# Altium PCB JacdacRp2040BrainEc30 124.PcbDoc (part 1 of 2) (continued)
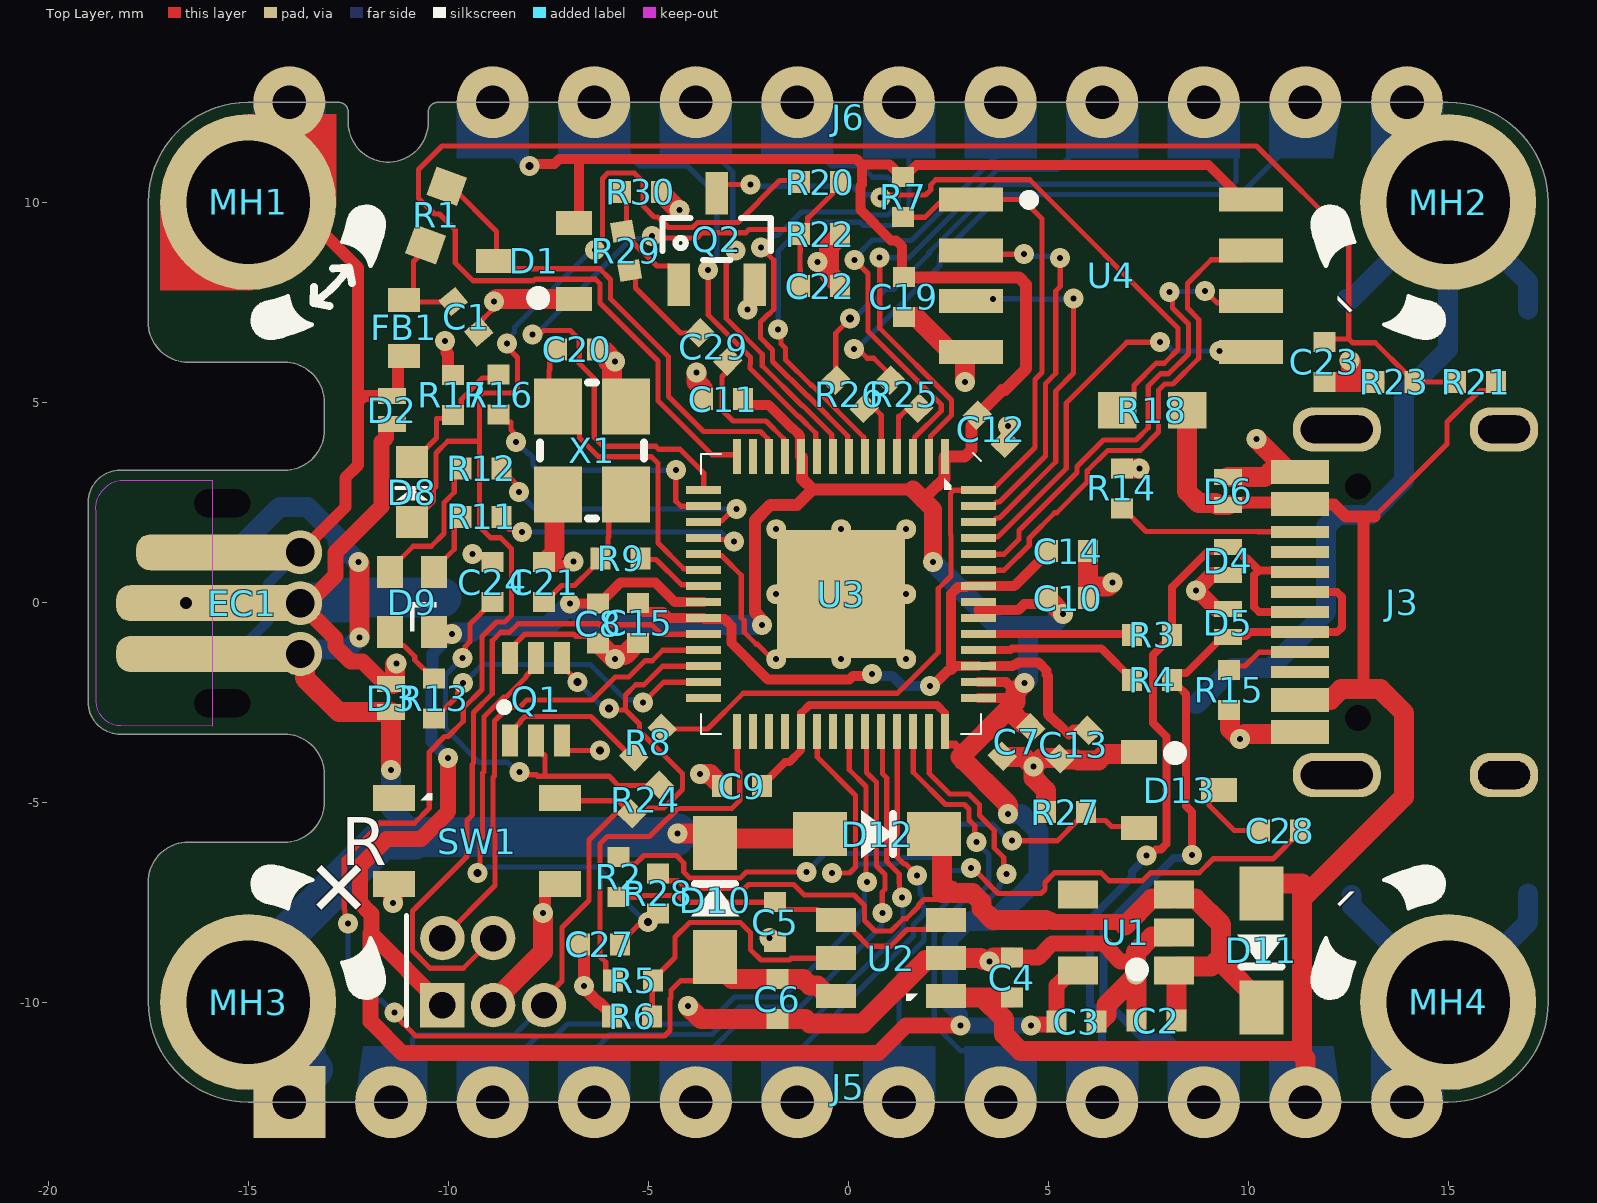
[diagram p0: Top Layer view]
## Part data (continued)
D1 D13: "DIODE ARRAY SCHOTTKY 30V SOT23", Manufacturer=Nexperia, Manufacturer Part Number=BAT54S,235, Supplier Part Number 1=1727-1868-1-ND, Category="Rectifier Diodes", ComponentLink1Description="NXP datasheet online", ComponentLink1URL=https://assets.nexperia.com/documents/data-sheet/BAT54_SER.pdf, Pricing 1="1=0.13000, 10=0.11900, 100=0.05610, 500=0.03326, 1000=0.02185, 5000=0.02138 (USD)", RoHS=No, Stock 1=14011, Supplier 1=Digi-Key, Supplier 2=Mouser, Supplier 3=RSComponents, Supplier Part Number 2=771-BAT54S235, Supplier Part Number 3=1707990
D2 D3 D4 D5 D6: "Bidirectional 5V (Max) 6V 16V 3.5A (8/20us) 0402 TVS RoHS", Manufacturer="Born Semiconductor", Package=0402, Supplier Part Number 1=C316043, Checked By=?, ComponentLink1Description="Online datasheet", ComponentLink1URL=https://datasheet.lcsc.com/szlcsc/Bourne-Semicon-Shenzhen-RCLAMP0521P-N_C316043.pdf, Created By="D Gakure", Manufacturer 1="Born Semiconductor", Manufacturer Part Number=RCLAMP0521P-N, Manufacturer Part Number 1=RCLAMP0521P-N, Supplier 1=LCSC
D8: library part 19-217/GHC-YR1S2/3T, "LED GREEN DIFFUSED 0603 SMD", Case Code (Imperial)=0603, Color=Green, Manufacturer="Everlight Elec", Supplier Part Number 1=C72043, Case/Package=0603, Colour=Green, ComponentLink1Description="Online datasheet", ComponentLink1URL=https://datasheet.lcsc.com/lcsc/1811101510_Everlight-Elec-19-217-GHC-YR1S2-3T_C72043.pdf, Manufacturer 1="Everlight Elec", Manufacturer Part Number=19-217/GHC-YR1S2/3T, Manufacturer Part Number 1=19-217/GHC-YR1S2/3T, Mount="Surface Mount", Supplier 1=LCSC
D9: "1615 Light Emitting Diodes (LED) RoHS", Manufacturer=TUOZHAN, Package=1615, Supplier Part Number 1=C779813, Category=Optoelectronics, Checked By=?, ComponentLink1Description="Online datasheet", ComponentLink1URL=https://datasheet.lcsc.com/szlcsc/2009041238_TUOZHAN-TZ-P4-1615RGBTCA1-0-55T_C779813.pdf, Created By="D. Gakure", Manufacturer 1=TUOZHAN, Manufacturer Part Number=TZ-P4-1615RGBTCA1-0.55T, Manufacturer Part Number 1=TZ-P4-1615RGBTCA1-0.55T, Packaging="Tape & Reel (TR)", RoHS="RoHS Compliant", Size / Dimension=1.6x1.5mm, Supplier 1=LCSC
D10 D11 D12: "ROHM - RB161MM-20TR - Schottky-Gleichrichterdiode, 20 V, 1 A, Einfach, SOD-123FL, 2 Pin(s), 350 mV", Average Rectified Current=1A, Case/Package=SOD, Manufacturer=Rohm, Max Operating Temperature=125°C, Max Reverse Voltage (DC)=25V, Supplier Part Number 1=RB161MM-20TR-ND, Category="Rectifier Diodes", ComponentLink1Description="Online datasheet", ComponentLink1URL=http://www.mouser.com/ds/2/348/rb161mm-20tr-e-1138856.pdf, Manufacturer Part Number=RB161MM-20TR, Mount="Surface Mount", Number of Pins=2, Packaging="Tape and Reel", Pricing 1="3000=0.09900, 6000=0.09350, 15000=0.08525, 30000=0.07975, 75000=0.07500 (USD)", Pricing 2="30=0.29200, 150=0.15800, 300=0.15300, 750=0.14900, 1500=0.14500 (USD)", Pricing 3="1=0.33000, 10=0.25100, 50=0.25100, 100=0.12500, 1000=0.10000, 10000=0.07600 (USD)", RoHS=Yes, RoHS Compliant=Yes, Stock 2=1, Supplier 1=Digi-Key, Supplier 2=RSComponents, Supplier 3=Mouser, Supplier Part Number 2=1246775, Supplier Part Number 3=755-RB161MM-20TR
EC1: "3 pin Jacdac edge connector 1.27mm pitch", Manufacturer Part Number=n/a, ComponentLink1Description="Yuliang JACDAC cable connector drawing online", ComponentLink1URL=https://github.com/microsoft/jacdac-ddk/tree/main/connector, ComponentLink2Description="JACDAC PCB edge connector spec onlin", ComponentLink2URL=https://github.com/microsoft/jacdac-ddk/tree/main/connector, Created By="D. Gakure & S. Hodges", PCB Type="1.6mm FR4"
FB1: "0603 1k@100MHz 0.8A chip", Case Code (Imperial)=0603, Case Code (Metric)=1608, Current Rating=800mA, DC Resistance (DCR)=300mR, Manufacturer=TDK, Manufacturer Part Number=MPZ1608S102ATA00, Package Quantity=4000, Supplier Part Number 1=445-8694-1-ND, Tolerance=25%, Case/Package=0603, ComponentLink2Description="datasheet online", ComponentLink2URL=https://www.mouser.co.uk/datasheet/2/400/eads_commercial_power_mpz1608_en-923650.pdf, ComponentLink3Description=datasheet, ComponentLink3URL="Y:\System\Altium\Libraries 2014\TDK\Datasheets\eads_commercial_power_mpz1608_en-923650.pdf", Core Material=Ferrite, Height=0.037inch, Impedance="1kR @ 100MHz", Length=0.063inch, Max DC Current=800mA, Mount="Surface Mount", Packaging="Tape and Reel", Pricing 1="1=0.1, 10=0.079, 25=0.0716, 50=0.0644, 100=0.0472, 250=0.03432, 500=0.03146, 1000=0.02717 (USD)", Stock 1=113542, Supplier 1=Digi-Key, Supplier 2=Mouser, Supplier Part Number 2=810-MPZ1608S102ATA00, Width=0.031inch
J1: library part HACK_CONNECT_MINI
J3: "USB - Type C Female 16 USB Connectors RoHS", Manufacturer="Korean Hroparts Elec", Supplier Part Number 1=C165948, Category="USB Connectors", ComponentLink1Description="Online datasheet", ComponentLink1URL=https://datasheet.lcsc.com/szlcsc/1811131825_Korean-Hroparts-Elec-TYPE-C-31-M-12_C165948.pdf, Gender=Receptacle, Manufacturer 1="Korean Hroparts Elec", Manufacturer Part Number=TYPE-C-31-M-12, Manufacturer Part Number 1=TYPE-C-31-M-12, Number of Positions=16, Orientation="Right Angle", RoHS=Yes, Supplier 1=LCSC
J5: library part "Jacdac EC30 stamp holes 30mm bottom", "2.54mm, 12x1 way, vertical, TH", Manufacturer=Generic, Manufacturer Part Number=TBD
J6: library part "Jacdac EC30 stamp holes 30mm top", "2.54mm, 12x1 way, vertical, TH", Manufacturer=Generic, Manufacturer Part Number=TBD
MH1 MH2 MH3 MH4: "Mounting Hole 7.0mm keepout, 4.4mm annualar ring and 3.1mm Drill PTH", Annular Ring=4.4mm, Hole Clearance=7.0mm, Hole Diameter=3.1mm, Hole Size=M3, Hole Type=PTH
Q1: library part BCM857BS,115-whitesch, "BJT ARRAY, DUAL PNP, -45V, -100MA, 6-SOT-363", Case/Package=SOT-363, Collector Base Voltage (VCBO)=50V, Collector Emitter Breakdown Voltage=45V, Emitter Base Voltage (VEBO)=5V, Frequency=175MHz, Manufacturer="NXP Semiconductors", Manufacturer Part Number=BCM857BS,115, Max Collector Current=100mA, Package Quantity=1, Test Current=5mA, Tolerance=5%, Zener Voltage=3.3V, Collector Emitter Voltage (VCEO)=45V, ComponentLink1Description="NXP datasheet online", ComponentLink1URL=https://assets.nexperia.com/documents/data-sheet/BCM857BV_BS_DS.pdf, Contact Plating=Tin, Element Configuration=Dual, Gain Bandwidth Product=175MHz, Height=0.25inch, Lead Free="Lead Free", Length=0.25inch, Max Breakdown Voltage=45V, Mount="Surface Mount", Number of Elements=2, Number of Pins=6, Packaging="Tape and Reel", Polarity=PNP, Radiation Hardening=No, REACH SVHC="No SVHC", Transition Frequency=175MHz, Weight=0.01lb, Width=0.25inch
Q2: "MOSFET Transistor, N Channel, 300 mA, 60 V, 2 ohm, 10 V, 2.5 V", Case/Package=SOT-23, Continuous Drain Current (ID)=300mA, Drain to Source Breakdown Voltage=60V, Drain to Source Resistance=2R, Gate to Source Voltage (Vgs)=20V, Input Capacitance=50pF, Manufacturer="ON Semiconductor / Fairchild", Max Operating Temperature=150°C, Max Power Dissipation=350mW, Min Operating Temperature=-55°C, Package Quantity=1, Supplier Part Number 1=2N7002KCT-ND, Threshold Voltage=2.5V, Category=MOSFETs, Checked By=?, ComponentLink1Description="Online datasheet", ComponentLink1URL=https://www.onsemi.com/pdf/datasheet/2n7002k-d.pdf, Contact Plating=Tin,Matte, Created By="D. Gakure", Drain to Source Voltage (Vdss)=60V, Drain-source On Resistance-Max=2R, Element Configuration=Single, Height=1.2mm, Lead Free="Lead Free", Length=2.92mm, Manufacturer Part Number=2N7002K, Mount="Surface Mount", Number of Elements=1, Number of Pins=3, On-State Resistance=2R, Packaging="Tape and Reel", Polarity=N-CHANNEL, Power Dissipation=350mW, Pricing 1="1=0.40000, 10=0.32500, 25=0.27240, 100=0.17240, 500=0.11344, 1000=0.07714 (USD)", Pricing 2="1=0.40000, 10=0.27300, 50=0.27300, 100=0.13400, 1000=0.07800, 10000=0.05100 (USD)", Pricing 3="5=0.34800, 10=0.23500, 100=0.09100, 500=0.05850, 3000=0.04630, 9000=0.03860, 24000=0.03750, 45000=0.03530 (GBP)", Radiation Hardening=No, Rds On Max=2R, REACH SVHC="No SVHC", RoHS=Yes, Stock 1=53564, Stock 2=111825, Stock 3=101059, Supplier 1=Digi-Key, Supplier 2=Mouser, Supplier 3=Farnell, Supplier Part Number 2=512-2N7002K, Supplier Part Number 3=2453382, Turn-Off Delay Time=30ns, Turn-On Delay Time=5ns, Voltage=60V, Width=1.3mm
R1: "Res Thick Film 0603 220 Ohm 1% 0.1W(1/10W) ±100ppm/°C Pad SMD T/R", Case Code (Imperial)=0603, Case Code (Metric)=1608, Manufacturer=Yageo, Max Operating Temperature=155°C, Max Power Dissipation=100mW, Min Operating Temperature=-55°C, Package Quantity=1, Resistance=220R, Resistance Tolerance=1%, Resistor Type="Thick Film", Supplier Part Number 1=311-220HRCT-ND, Temperature Coefficient=100ppm/°C, Voltage Rating=50V, Case/Package=0603, Category="Chip SMD Resistors", ComponentLink4Description="online datasheet", ComponentLink4URL=https://datasheet.ciiva.com/46395/443971-46395002.pdf, Construction=Rectangular, Depth=0.8mm, Features="Moisture Resistant", Height=0.022inch, Lead Free="Lead Free", Length=1.6mm, Manufacturer 1=Yageo, Manufacturer Part Number=RC0603FR-07220RL, Manufacturer Part Number 1=RC0603FR-07220RL, Military Standard=Not, Number of Pins=2, Number of Terminations=2, Packaging="Tape and Reel", Power Rating=100mW, Pricing 1="1=0.10000, 10=0.02300, 100=0.00930, 1000=0.00417, 2500=0.00362 (USD)", REACH SVHC="No SVHC", RoHS=Yes, RoHS Compliant=Yes, Series=RC, Size Code=0603, Stock 1=1257522, Supplier 1=Digi-Key, Supplier 2=Farnell, Supplier 3=Mouser, Supplier 4=RSComponents, Supplier Part Number 2=2421863, Supplier Part Number 3=603-RC0603FR-07220RL, Supplier Part Number 4=1995497, Termination=SMD/SMT, Tolerance=1%, Voltage Rating (DC)=50V, Width=0.031inch
R2 R30: "RES SMD 330K OHM 1% 1/16W 0402", Case Code (Imperial)=0402, Case Code (Metric)=1005, Manufacturer=Yageo, Max Operating Temperature=155°C, Max Power Dissipation=63mW, Min Operating Temperature=-55°C, Package Quantity=1, Resistance=330kR, Resistance Tolerance=1%, Resistor Type="Thick Film", Supplier Part Number 1=311-330KLRCT-ND, Temperature Coefficient=100ppm/°C, Voltage Rating=50V, Case/Package=0402, Category="Chip SMD Resistors", Checked By=?, ComponentLink1Description="Online datasheet", ComponentLink1URL=https://datasheet.ciiva.com/2518/pyu-r-int-thick-7-2518994.pdf?src-supplier=Digi-Key, Construction=Rectangular, Created By="D Gakure", Depth=0.5mm, Features="Moisture Resistant", Height=0.016inch, Lead Free="Lead Free", Length=1mm, Manufacturer Part Number=RC0402FR-07330KL, Military Standard=Not, Number of Terminations=2, Packaging="Tape and Reel", Power Rating=63mW, Pricing 1="1=0.10000, 10=0.01600, 100=0.00660, 1000=0.00299, 2500=0.00259, 5000=0.00214 (USD)", Pricing 2="1=0.10000, 10=0.01400, 50=0.01400, 100=0.00500, 1000=0.00300, 10000=0.00200 (USD)", Pricing 3="10=0.01210, 100=0.00460, 500=0.00410, 2500=0.00310, 5000=0.00280, 10000=0.00250, 50000=0.00180 (GBP)", REACH SVHC=Unknown, RoHS=Yes, RoHS Compliant=Yes, Series=RC, Size Code=0402, Stock 1=78809, Stock 2=218637, Stock 3=310234, Supplier 1=Digi-Key, Supplier 2=Mouser, Supplier 3=Farnell, Supplier Part Number 2=603-RC0402FR-07330KL, Supplier Part Number 3=9239537, Termination=SMD/SMT, Tolerance=1%, Width=0.02inch
R3 R4 R11 R12: "RES SMD 27 OHM 1% 1/16W 0402", Case Code (Imperial)=0402, Case Code (Metric)=1005, Manufacturer=Yageo, Max Operating Temperature=155°C, Max Power Dissipation=63mW, Min Operating Temperature=-55°C, Power Rating=62.5mW, Resistance=27R, Resistance Tolerance=1%, Resistor Type="Thick Film", Supplier Part Number 1=YAG3086CT-ND, Temperature Coefficient=100ppm/°C, Voltage Rating=50V, Case/Package=0402, Category="Chip SMD Resistors", ComponentLink1Description="Online datasheeet", ComponentLink1URL=https://datasheet.ciiva.com/11808/0900766b80c66297-11808450.pdf, Construction=Rectangular, Depth=0.5mm, Features="Moisture Resistant", Height=0.016inch, Lead Free="Lead Free", Length=1mm, Manufacturer Part Number=RC0402FR-0727RL, Military Standard=Not, Number of Terminations=2, Packaging="Tape and Reel", Pricing 1="1=0.10000, 10=0.01600, 100=0.00660, 1000=0.00299, 2500=0.00259, 5000=0.00214 (USD)", Pricing 2="10=0.01720, 100=0.00650, 500=0.00560, 2500=0.00380, 5000=0.00370, 10000=0.00350, 50000=0.00240 (GBP)", Pricing 3="10000=0.00130, 50000=0.00090, 200000=0.00090, 400000=0.00090, 1000000=0.00080 (USD)", REACH SVHC=Unknown, RoHS=Yes, RoHS Compliant=Yes, Series=RC, Size Code=0402, Stock 2=29644, Stock 3=450000, Supplier 1=Digi-Key, Supplier 2=Farnell, Supplier 3="Future Electronics", Supplier Part Number 2=9239049, Supplier Part Number 3=2577120, Technology="THICK FILM", Termination=SMD/SMT, Tolerance=1%, Weight=2.3E-05oz, Width=0.5mm
R5: "RES SMD 68K OHM 1% 1/16W 0402", Case Code (Imperial)=0402, Case Code (Metric)=1005, Manufacturer=Yageo, Max Operating Temperature=155°C, Max Power Dissipation=63mW, Min Operating Temperature=-55°C, Package Quantity=1, Resistance=68kR, Resistor Type="Thick Film", Temperature Coefficient=100ppm/°C, Tolerance=1%, Voltage Rating=50V, Case/Package=0402, Category=Resistors, Checked By=?, ComponentLink2Description="Online datasheet", ComponentLink2URL=https://datasheet.ciiva.com/2453/pyu-r-int-thick-7-2453361.pdf, Created By=DG, Depth=0.5mm, Features="Moisture Resistant", Height=0.016inch, Lead Free="Lead Free", Length=0.039inch, Manufacturer Part Number=RC0402FR-0768KL, Military Standard=Not, Number of Terminations=2, Packaging="Tape and Reel", Power Rating=63mW, REACH SVHC="No SVHC", RoHS=Yes, Termination=SMD/SMT, Width=0.02inch, Working Voltage=50V
R6 R17: "RES SMD 56K OHM 1% 1/16W 0402", Case Code (Imperial)=0402, Case Code (Metric)=1005, Manufacturer=Yageo, Max Operating Temperature=155°C, Max Power Dissipation=63mW, Min Operating Temperature=-55°C, Package Quantity=1, Resistance=56kR, Resistor Type="Thick Film", Temperature Coefficient=100ppm/°C, Tolerance=1%, Voltage Rating=50V, Case/Package=0402, Category=Resistors, Checked By=?, ComponentLink2Description="Online datasheet", ComponentLink2URL=https://datasheet.ciiva.com/2453/pyu-r-int-thick-7-2453361.pdf, Created By=DG, Depth=0.5mm, Features="Moisture Resistant", Height=0.016inch, Lead Free="Lead Free", Length=0.039inch, Manufacturer Part Number=RC0402FR-0756KL, Military Standard=Not, Number of Terminations=2, Packaging="Tape and Reel", Power Rating=63mW, REACH SVHC="No SVHC", RoHS=Yes, Termination=SMD/SMT, Width=0.02inch, Working Voltage=50V
R7: "RES SMD 10K OHM 1% 1/16W 0402", Case Code (Imperial)=0402, Case Code (Metric)=1005, Manufacturer=Yageo, Max Operating Temperature=155°C, Min Operating Temperature=-55°C, Power Rating=62.5mW, Resistance=10kR, Resistor Type="Thick Film", Supplier Part Number 1=311-10.0KLRCT-ND, Temperature Coefficient=100ppm/°C, Tolerance=1%, Voltage Rating=50V, Case/Package=0402, Category=Resistors, Checked=?, ComponentLink3Description="Online datasheet", ComponentLink3URL=https://datasheet.ciiva.com/7849/1686128-7849814.pdf, Created=DG, Depth=0.5mm, Height=0.32mm, Lead Free="Lead Free", Lead Pitch=0.2mm, Length=1mm, Manufacturer 1=Yageo, Manufacturer Part Number=RC0402FR-0710KL, Manufacturer Part Number 1=RC0402FR-0710KL, Military Standard=Not, Number of Pins=2, Number of Terminations=2, Packaging="Tape and Reel", Pricing 1="1=0.10000, 10=0.01400, 100=0.00580, 1000=0.00262, 2500=0.00228, 5000=0.00188 (USD)", Pricing 2="1=0.10000, 10=0.01300, 100=0.00400, 1000=0.00300, 2500=0.00300, 10000=0.00200 (USD)", Pricing 3="10000=0.00350 (GBP)", REACH SVHC="No SVHC", RoHS=Yes, Stock 1=40173593, Stock 2=23672167, Stock 3=370000, Supplier 1=Digi-Key, Supplier 2=Mouser, Supplier 3=Farnell, Supplier Part Number 2=603-RC0402FR-0710KL, Supplier Part Number 3=2363463, Termination=SMD/SMT, Voltage Rating (DC)=50V, Width=0.5mm, Working Voltage=50V
R8 R9: "RES SMD 1K OHM 1% 1/16W 0402", Case Code (Imperial)=0402, Case Code (Metric)=1005, Manufacturer=Yageo, Max Operating Temperature=155°C, Min Operating Temperature=-55°C, Power Rating=62.5mW, Resistance=1kR, Resistor Type="Thick Film", Supplier Part Number 1=311-1.00KLRDKR-ND, Temperature Coefficient=100ppm/°C, Tolerance=1%, Voltage Rating=50V, Case/Package=0402, Category=Resistors, Checked=?, ComponentLink2Description="Online datasheet", ComponentLink2URL=https://datasheet.ciiva.com/12666/pyu-rc0402-51-rohs-l-6-r-12666741.pdf, Created=D.G, Depth=0.5mm, Height=0.32mm, Lead Free="Lead Free", Length=1mm, Manufacturer Part Number=RC0402FR-071KL, Military Standard=Not, Number of Pins=2, Packaging="Tape and Reel", Pricing 1="1=0.10000, 10=0.01400, 100=0.00580, 1000=0.00262, 2500=0.00228, 5000=0.00188 (USD)", Pricing 2="1=0.10000, 10=0.01200, 100=0.00400, 1000=0.00400, 2500=0.00400, 10000=0.00300 (USD)", Pricing 3="1=0.08130, 25=0.01210, 100=0.01120, 250=0.01030, 500=0.00900 (GBP)", REACH SVHC=Unknown, RoHS=Yes, Stock 1=37591306, Stock 2=11912978, Stock 3=29900, Supplier 1=Digi-Key, Supplier 2=Mouser, Supplier 3=Farnell, Supplier Part Number 2=603-RC0402FR-071KL, Supplier Part Number 3=2132441, Termination=SMD/SMT, Voltage Rating (DC)=50V, Width=0.5mm
R13: "RES SMD 150 OHM 1% 1/16W 0402", Case Code (Imperial)=0402, Case Code (Metric)=1005, Manufacturer=Yageo, Max Operating Temperature=155°C, Max Power Dissipation=63mW, Min Operating Temperature=-55°C, Package Quantity=1, Power Rating=62.5mW, Resistance=150R, Resistance Tolerance=1%, Resistor Type="Thick Film", Supplier Part Number 1=311-150LRCT-ND, Temperature Coefficient=100ppm/°C, Voltage Rating=50V, Case/Package=0402, Category="Chip SMD Resistors", Checked By=?, ComponentLink1Description="ine datasheet", ComponentLink1URL=https://datasheet.ciiva.com/11808/0900766b80c66297-11808422.pdf, Construction=Rectangular, Created By="D. Gakure", Depth=0.5mm, Features="Moisture Resistant", Height=0.016inch, Lead Free="Lead Free", Length=1mm, Manufacturer Part Number=RC0402FR-07150RL, Military Standard=Not, Number of Terminations=2, Packaging="Tape and Reel", Pricing 1="1=0.10000, 10=0.01400, 100=0.00580, 1000=0.00260, 2500=0.00226, 5000=0.00186 (USD)", Pricing 2="1=0.10000, 10=0.01200, 50=0.01200, 100=0.00400, 1000=0.00400, 10000=0.00300 (USD)", Pricing 3="10000=0.00270, 50000=0.00200 (GBP)", REACH SVHC="No SVHC", RoHS=Yes, RoHS Compliant=Yes, Series=RC, Stock 1=5214533, Stock 2=582717, Stock 3=880000, Supplier 1=Digi-Key, Supplier 2=Mouser, Supplier 3=Farnell, Supplier Part Number 2=603-RC0402FR-07150RL, Supplier Part Number 3=2421893, Technology="THICK FILM", Termination=SMD/SMT, Tolerance=1%, Width=0.02inch, Working Voltage=50V
R14 R15: "RES SMD 5.1K OHM 5% 1/16W 0402", Case Code (Imperial)=0402, Case Code (Metric)=1005, Manufacturer=Yageo, Max Operating Temperature=155°C, Max Power Dissipation=63mW, Min Operating Temperature=-55°C, Power Rating=62.5mW, Resistance=5.1kR, Resistance Tolerance=5%, Resistor Type="Thick Film", Supplier Part Number 1=311-5.1KJRCT-ND, Temperature Coefficient=100ppm/°C, Voltage Rating=50V, Case/Package=0402, Category="Chip SMD Resistors", Checked By=?, ComponentLink2Description="Onnline datasheet", ComponentLink2URL=https://datasheet.ciiva.com/16740/pyu-rc0402-51-rohs-l-6-r-16740925.pdf, Construction=Rectangular, Created By="D. Gakure", Depth=0.5mm, Features="Moisture Resistant", Height=0.35mm, Lead Free="Lead Free", Length=1mm, Manufacturer Part Number=RC0402JR-075K1L, Military Standard=Not, Number of Terminations=2, Packaging="Tape and Reel", Pricing 1="1=0.10000, 10=0.01300, 100=0.00520, 1000=0.00233, 2500=0.00202, 5000=0.00167 (USD)", Pricing 2="1=0.10000, 25=0.01000, 100=0.00400, 250=0.00400, 500=0.00300, 1000=0.00300 (USD)", Pricing 3="1=0.10000, 10=0.01000, 50=0.01000, 100=0.00400, 1000=0.00300, 10000=0.00200 (USD)", Pricing 4="10=0.00910, 100=0.00390, 500=0.00320, 2500=0.00240, 5000=0.00210, 10000=0.00190, 50000=0.00150 (GBP)", Pricing 5="10000=0.00270 (GBP)", REACH SVHC="No SVHC", RoHS=Yes, RoHS Compliant=Yes, Series=RC, Size Code=0402, Stock 1=1270619, Stock 2=1265, Stock 3=100817, Stock 4=68890, Stock 5=1265, Supplier 1=Digi-Key, Supplier 2=Newark, Supplier 3=Mouser, Supplier 4=Farnell, Supplier 5=Farnell, Supplier Part Number 2=68R0016, Supplier Part Number 3=603-RC0402JR-075K1L, Supplier Part Number 4=3495714, Supplier Part Number 5=1799293, Termination=SMD/SMT, Tolerance=5%, Voltage Rating (DC)=50V, Weight=2.3E-05oz, Width=0.5mm
R16: "RES SMD 33K OHM 1% 1/16W 0402", Case Code (Imperial)=0402, Case Code (Metric)=1005, Manufacturer=Yageo, Max Operating Temperature=155°C, Max Power Dissipation=63mW, Min Operating Temperature=-55°C, Package Quantity=10000, Power Rating=62.5mW, Resistance=33kR, Resistance Tolerance=1%, Resistor Type="Thick Film", Supplier Part Number 1=9239413, Temperature Coefficient=100ppm/°C, Voltage Rating=50V, Case/Package=0402, Category="Chip SMD Resistors", Checked By=?, ComponentLink1Description="Online datasheet", ComponentLink1URL=https://datasheet.ciiva.com/11819/0900766b80c66297-11819487.pdf, Construction=Rectangular, Depth=0.5mm, Features="Moisture Resistant", Height=0.35mm, Lead Free="Lead Free", Length=1mm, Manufacturer Part Number=RC0402FR-0733KL, Military Standard=Not, Number of Pins=2, Number of Terminations=2, Packaging="Tape and Reel", REACH SVHC=Unknown, RoHS=Yes, RoHS Compliant=Yes, Series=RC, Size Code=0402, Supplier 1=Farnell, Supplier 2=Digi-Key, Supplier 3=Mouser, Supplier 4=RSComponents, Supplier Part Number 2=311-33.0KLRCT-ND, Supplier Part Number 3=603-RC0402FR-0733KL, Supplier Part Number 4=1987757, Technology="THICK FILM", Termination=SMD/SMT, Tolerance=1%, Voltage Rating (DC)=50V, Width=0.5mm
R18: "RES SMD 39 OHM 1% 1/10W 0603", Case Code (Imperial)=0603, Case Code (Metric)=1608, Manufacturer=Yageo, Max Operating Temperature=155°C, Max Power Dissipation=100mW, Min Operating Temperature=-55°C, Package Quantity=1, Resistance=39R, Resistance Tolerance=1%, Resistor Type="Thick Film", Temperature Coefficient=100ppm/°C, Voltage Rating=50V, Working Voltage=75V, Case/Package=0603, Category="Chip SMD Resistors", ComponentLink1Description="Online datasheet", ComponentLink1URL=https://datasheet.ciiva.com/11819/0900766b80f96399-11819290.pdf, Construction=Rectangular, Created By="D. Gakure", Depth=0.8mm, Features="Moisture Resistant", Height=0.45mm, Lead Free="Lead Free", Length=1.6mm, Manufacturer Part Number=RC0603FR-0739RL, Military Standard=Not, Number of Terminations=2, Packaging="Tape and Reel", Power Rating=100mW, REACH SVHC="No SVHC", RoHS=Yes, RoHS Compliant=Yes, Series=RC, Technology="THICK FILM", Termination=SMD/SMT, Tolerance=1%, Voltage Rating (DC)=50V, Width=0.8mm
R20 R21 R22 R23: "RES SMD 5K6 OHM 1% 1/16W 0402", Case Code (Imperial)=0402, Case Code (Metric)=1005, Manufacturer=Yageo, Max Operating Temperature=155°C, Min Operating Temperature=-55°C, Power Rating=62.5mW, Resistance=5k6, Resistor Type="Thick Film", Supplier Part Number 1=311-5.6KLRCT-ND, Temperature Coefficient=100ppm/°C, Tolerance=1%, Voltage Rating=50V, Case/Package=0402, Category=Resistors, Checked=?, ComponentLink3Description="Online datasheet", ComponentLink3URL=https://datasheet.ciiva.com/7849/1686128-7849814.pdf, Depth=0.5mm, Height=0.32mm, Lead Free="Lead Free", Lead Pitch=0.2mm, Length=1mm, Manufacturer 1=Yageo, Manufacturer Part Number=RC0402FR-075K6L, Manufacturer Part Number 1=RC0402FR-075K6L, Military Standard=Not, Number of Pins=2, Number of Terminations=2, Packaging="Tape and Reel", REACH SVHC="No SVHC", RoHS=Yes, Supplier 1=Digi-Key, Supplier 2=Farnell, Supplier 3=RSComponents, Supplier 4=Mouser, Supplier Part Number 2=9239324, Supplier Part Number 3=1987840, Supplier Part Number 4=603-RC0402FR-075K6L, Termination=SMD/SMT, Voltage Rating (DC)=50V, Width=0.5mm, Working Voltage=50V
R24: "RES SMD 150K OHM 1% 1/16W 0402", Case Code (Imperial)=0402, Case Code (Metric)=1005, Manufacturer=Yageo, Max Operating Temperature=155°C, Max Power Dissipation=63mW, Min Operating Temperature=-55°C, Package Quantity=1, Resistance=150k, Resistor Type="Thick Film", Temperature Coefficient=100ppm/°C, Tolerance=1%, Voltage Rating=50V, Case/Package=0402, Category=Resistors, Checked By=?, ComponentLink2Description="Online datasheet", ComponentLink2URL=https://datasheet.ciiva.com/2453/pyu-r-int-thick-7-2453361.pdf, Created By=DG, Depth=0.5mm, Features="Moisture Resistant", Height=0.016inch, Lead Free="Lead Free", Length=0.039inch, Manufacturer Part Number=RC0402FR-07150KL, Military Standard=Not, Number of Terminations=2, Packaging="Tape and Reel", Power Rating=63mW, REACH SVHC="No SVHC", RoHS=Yes, Termination=SMD/SMT, Width=0.02inch, Working Voltage=50V
R25 R26: "RES SMD 0 OHM JUMPER 1/16W 0402", Case Code (Imperial)=0402, Case Code (Metric)=1005, Manufacturer=Yageo, Max Operating Temperature=155°C, Max Power Dissipation=63mW, Min Operating Temperature=-55°C, Package Quantity=1, Power Rating=62.5mW, Resistance=0R, Resistor Type="Thick Film", Supplier Part Number 1=311-0.0JRCT-ND, Temperature Coefficient=200ppm/°C, Tolerance=5%, Voltage Rating=50V, Case/Package=0402, Category=Resistors, Checked=?, ComponentLink1Description="Online datasheet", ComponentLink1URL=https://datasheet.ciiva.com/2452/pyu-rc0402-51-rohs-l-6-2452608.pdf, Contact Plating=Tin,Matte, Created=DG, Depth=0.5mm, Features="Moisture Resistant", Height=0.016inch, Lead Free="Lead Free", Length=1mm, Manufacturer Part Number=RC0402JR-070RL, Military Standard=Not, Number of Terminations=2, Packaging="Tape and Reel", Pricing 1="1=0.10000, 10=0.01200, 25=0.00840, 50=0.00640, 100=0.00480, 250=0.00364, 500=0.00292, 1000=0.00215, 5000=0.00154 (USD)", Pricing 2="1=0.10000, 10=0.01000, 100=0.00400, 1000=0.00300, 2500=0.00200, 10000=0.00200 (USD)", Pricing 3="10000=0.00120, 50000=0.00100, 200000=0.00100, 500000=0.00100, 1250000=0.00100 (USD)", Radiation Hardening=No, REACH SVHC=Unknown, RoHS=Yes, Stock 1=40652479, Stock 2=8807711, Stock 3=29070000, Supplier 1=Digi-Key, Supplier 2=Mouser, Supplier 3="Future Electronics", Supplier Part Number 2=603-RC0402JR-070RL, Supplier Part Number 3=3375797, Termination=SMD/SMT, Width=0.02inch
R27: "RES SMD 100K OHM 1% 1/16W 0402", Case Code (Imperial)=0402, Case Code (Metric)=1005, Manufacturer=Yageo, Max Operating Temperature=155°C, Max Power Dissipation=63mW, Min Operating Temperature=-55°C, Package Quantity=1, Resistance=100kR, Resistor Type="Thick Film", Supplier Part Number 1=311-100KLRCT-ND, Temperature Coefficient=100ppm/°C, Tolerance=1%, Voltage Rating=50V, Case/Package=0402, Category=Resistors, Checked By=?, ComponentLink2Description="Online datasheet", ComponentLink2URL=https://datasheet.ciiva.com/2453/pyu-r-int-thick-7-2453361.pdf, Created By=DG, Depth=0.5mm, Features="Moisture Resistant", Height=0.016inch, Lead Free="Lead Free", Length=0.039inch, Manufacturer Part Number=RC0402FR-07100KL, Military Standard=Not, Number of Terminations=2, Packaging="Tape and Reel", Power Rating=63mW, Pricing 1="1=0.10000, 10=0.01400, 100=0.00580, 1000=0.00262, 2500=0.00228, 5000=0.00188 (USD)", Pricing 2="1=0.10000, 10=0.01200, 100=0.00400, 1000=0.00400, 2500=0.00400, 10000=0.00300 (USD)", Pricing 3="1=0.10200, 25=0.01220, 100=0.01200, 250=0.01020, 500=0.00890 (GBP)", REACH SVHC="No SVHC", RoHS=Yes, Stock 1=5819191, Stock 2=4458847, Stock 3=19392, Supplier 1=Digi-Key, Supplier 2=Mouser, Supplier 3=Farnell, Supplier Part Number 2=603-RC0402FR-07100KL, Supplier Part Number 3=2131798, Termination=SMD/SMT, Width=0.02inch, Working Voltage=50V
R28: "RES SMD 1M OHM 1% 1/16W 0402", Case Code (Imperial)=0402, Case Code (Metric)=1005, Manufacturer=Yageo, Max Operating Temperature=155°C, Max Power Dissipation=63mW, Min Operating Temperature=-55°C, Resistance=1MR, Resistance Tolerance=1%, Resistor Type="Thick Film", Supplier Part Number 1=311-1.00MLRCT-ND, Temperature Coefficient=100ppm/°C, Voltage Rating=50V, Case/Package=0402, Category="Chip SMD Resistors", Checked By=?, ComponentLink1Description="Online datasheet", ComponentLink1URL=https://datasheet.ciiva.com/11808/0900766b80c66297-11808125.pdf, Construction=Rectangular, Created By="D. Gakure", Depth=0.5mm, Features="Moisture Resistant", Height=0.32mm, Lead Free="Lead Free", Length=1mm, Manufacturer Part Number=RC0402FR-071ML, Military Standard=Not, Number of Terminations=2, Packaging="Tape and Reel", Power Rating=63mW, Pricing 1="1=0.10000, 10=0.01600, 100=0.00640, 1000=0.00286, 2500=0.00248, 5000=0.00205 (USD)", Pricing 2="1=0.10000, 10=0.01200, 50=0.01200, 100=0.00400, 1000=0.00400, 10000=0.00300 (USD)", Pricing 3="10000=0.00290, 50000=0.00200 (GBP)", REACH SVHC=Unknown, RoHS=Yes, RoHS Compliant=Yes, Series=RC, Size Code=0402, Stock 1=7856490, Stock 2=1194490, Stock 3=1530000, Supplier 1=Digi-Key, Supplier 2=Mouser, Supplier 3=Farnell, Supplier Part Number 2=603-RC0402FR-071ML, Supplier Part Number 3=2421892, Technology="THICK FILM", Termination=SMD/SMT, Tolerance=1%
R29: "RES SMD 22K OHM 1% 1/16W 0402", Case Code (Imperial)=0402, Case Code (Metric)=1005, Manufacturer=Yageo, Max Operating Temperature=155°C, Max Power Dissipation=63mW, Min Operating Temperature=-55°C, Package Quantity=1, Resistance=22kR, Resistor Type="Thick Film", Temperature Coefficient=100ppm/°C, Tolerance=1%, Voltage Rating=50V, Case/Package=0402, Category=Resistors, Checked By=?, ComponentLink2Description="Online datasheet", ComponentLink2URL=https://datasheet.ciiva.com/2453/pyu-r-int-thick-7-2453361.pdf, Created By=DG, Depth=0.5mm, Features="Moisture Resistant", Height=0.016inch, Lead Free="Lead Free", Length=0.039inch, Manufacturer Part Number=RC0402FR-0722KL, Military Standard=Not, Number of Terminations=2, Packaging="Tape and Reel", Power Rating=63mW, REACH SVHC="No SVHC", RoHS=Yes, Termination=SMD/SMT, Width=0.02inch, Working Voltage=50V
SW1: "SWITCH TACTILE SSPST 50mA @ 12VDC", Current Rating="50 mA", Manufacturer=USAKRO, Operating Force="3.9 N", Supplier Part Number 1=C493283, Voltage Rating DC="12 VDC", Actuator=Oval, ComponentLink1Description="Online datasheet", ComponentLink1URL=https://datasheet.ciiva.com/18514/pts810-4mar13-18514167.pdf, Contact Form=SPST, Manufacturer 1=USAKRO, Manufacturer Part Number=UK-B0267-SP25Y, Manufacturer Part Number 1=UK-B0267-SP25Y, Mounting Style=SMD/SMT, Product Category="Tactile Switches", RoHS=Details, Supplier 1=LCSC, Switch Function="OFF - (ON)"
U1: "6V 260mV @ 200mA(typ) - - Fixed 3.3V SOT-23-5 Linear Voltage Regulators (LDO) ROHS", Case/Package=SOT-23-5, Dropout Voltage=200mV, Manufacturer="MICRONE (Nanjing Micro One Elec)", Max Input Voltage=6, Min Output Voltage=3.3V, Output Current=500mA, Supplier Part Number 1=C82942, Category="Voltage Regulators - Linear", ComponentLink3Description="On Semi datasheet online", ComponentLink3URL=https://datasheet.lcsc.com/lcsc/1811131510_MICRONE-Nanjing-Micro-One-Elec-ME6211C33M5G-N_C82942.pdf, Created=DG, Manufacturer 1="MICRONE (Nanjing Micro One Elec)", Manufacturer Part Number=ME6211C33M5G-N, Manufacturer Part Number 1=ME6211C33M5G-N, Mount="Surface Mount", Number of Regulators=1, Output Configuration=Positive, Output Type=Fixed, Pricing 1="1=0.33000, 10=0.24900, 25=0.21760, 100=0.12440, 250=0.11664, 500=0.09330, 1000=0.07153 (USD)", Stock 1=32529, Supplier 1=LCSC
U2: "IC PWR SWITCH N-CHAN 1:1 SOT23-6", Case/Package=SOT-23, Manufacturer="Texas Instruments", Max Input Voltage=6.5V, Max Operating Temperature=85°C, Max Power Dissipation=625mW, Min Input Voltage=2.5V, Min Operating Temperature=-40°C, On-State Resistance=85mR, Output Current=1.5A, Package Quantity=1, Supplier Part Number 1=296-32464-1-ND, Category="Hot Swap Controllers", ComponentLink1Description="Online datasheet", ComponentLink1URL=https://datasheet.ciiva.com/15108/getdatasheetpartid-297517-15108509.pdf, Lead Free="Lead Free", Manufacturer Part Number=TPS2553DBVR, Max Supply Voltage=6.5V, Min Supply Voltage=2.5V, Number of Outputs=1, Number of Pins=6, Packaging="Tape and Reel", Pricing 1="1=1.20000, 10=1.07100, 25=1.01640, 100=0.78050, 250=0.68972, 500=0.65340, 1000=0.50820 (USD)", Radiation Hardening=No, REACH SVHC="No SVHC", RoHS=Yes, Stock 1=14713, Supplier 1=Digi-Key, Supplier 2=Farnell, Supplier 3=Mouser, Supplier Part Number 2=3124082, Supplier Part Number 3=595-TPS2553DBVR, Weight=0.00127oz
U3: "QFN-56_7x7 MCU", Manufacturer="Raspberry Pi", Supplier 1 Part Number=C2040, Category="Integrated Circuit", ComponentLink1Description="Online datasheet", ComponentLink1URL=https://datasheet.lcsc.com/lcsc/2108101830_Raspberry-Pi-RP2040_C2040.pdf, Manufacturer 1="Raspberry Pi", Manufacturer Part Number=RP2040, Manufacturer Part Number 1=RP2040, Supplier 1=LCSC
U4: library part W25Q32JVSSIQ, "FLASH - NOR Memory IC 32Mb (4M x 8) SPI - Quad I/O 133 MHz 8-SOIC", Case/Package=SOIC, Frequency=104MHz, Manufacturer=Winbond, Max Operating Temperature=85°C, Max Supply Voltage=3.6V, Min Operating Temperature=-40°C, Min Supply Voltage=2.7V, Operating Supply Voltage=3V, Supplier Part Number 1=W25Q32JVSSIQ-ND, Category=Flash, ComponentLink1Description="Online datasheet", ComponentLink1URL=http://www.winbond.com/resource-files/w25q32jv%20revg%2003272018%20plus.pdf, Density=32MB, Interface=SPI,Serial, Lead Free="Lead Free", Manufacturer Part Number=W25Q32JVSSIQ, Memory Type=FLASH,NOR, Mount="Surface Mount", Number of Pins=8, Packaging=Tray, Page Size=256B, Pricing 1="1=0.89000, 10=0.81400, 25=0.80400, 50=0.79920, 100=0.71460, 250=0.70852, 500=0.69806, 1000=0.67308, 5000=0.61306 (USD)", RoHS=Yes, RoHS Compliant=Yes, Stock 1=139235, Supplier 1=Digi-Key
X1: "Generic SMD xtal 3.2x2.5mm", Frequency=12MHz, Loading capacitance=12pF, Manufacturer=Multicomp, Manufacturer Part Number=2853916, Supplier Part Number 1=C70565, Supplier 1=LCSC

## Via types
v1: diameter 0.5, hole 0.15, Top Layer to Bottom Layer, tented both sides, 89 vias
v2: diameter 0.5, hole 0.2, Top Layer to Bottom Layer, tented both sides, 7 vias
v3: diameter 0.6, hole 0.3, Top Layer to Bottom Layer, tented both sides, 1 vias

## Nets (pads, with @x,y where several pads share a name; then routed paths per layer and width w, separated by ;. In a path a pad name is that pad's centre, name@x,y a point inside that pad or via, vN(x,y) a via of type N, cw(c..) or ccw(c..) an arc to the next point about the centre after c; other vN are vias at no path point)
1V1: C13.2 C14.2 C15.2 U3.23 U3.45 U3.50 | length 18.7
  Top Layer w0.25: C15.2@-5.255,-0.016 -5.13,-0.141 -5.13,-0.241 -4.625,-0.241 -4.466,-0.4 U3.23@-3.612,-0.4 -3.587,-0.425 -3.089,-0.425 -2.92,-0.594 -2.92,-1.019 -2.009,-1.93 0.034,-1.93 0.123,-1.841 0.55,-1.841 v1(0.598,-1.793) ; v1(2.044,-2.09) 2.111,-2.09 2.502,-1.699 2.57,-1.699 ; U3.45@3.263,-1.6 2.669,-1.6 2.57,-1.699 ; U3.45@3.575,-1.6 4.11,-1.6 4.155,-1.555 4.205,-1.555 4.247,-1.513 4.762,-1.513 4.955,-1.706 4.955,-1.807 4.99,-1.842 4.99,-2.801 5.224,-3.034 5.247,-3.034 5.518,-3.306 5.636,-3.188 5.977,-3.188 C13.2@5.995,-3.206 ; C14.2@5,1.275 5,1.25 4.15,0.4 2.975,0.4 2.95,0.375 2.739,0.375 2.57,0.206 2.57,-0.606 2.57,-0.994 2.57,-1.6 2.57,-1.699
  Bottom Layer w0.25: v1(0.598,-1.793) 0.646,-1.841 1.099,-1.841 1.348,-2.09 v1(2.044,-2.09)
3V3: C3.2 C7.2 C8.2 C9.2 C10.2 C11.2 C12.2 C19.2 D1.2 D9.1 J1.1 J6.6 R7.1 U1.5 U3.1 U3.10 U3.22 U3.33 U3.42 U3.43 U3.44 U3.48 U3.49 U4.8 | length 122.8
  Top Layer w0.2: C9.2@-2.156,-4.575 -1.576,-3.995 -1.47,-3.995 -1.175,-3.7 U3.33@-1.175,-3.238 -1.175,-2.775 -0.97,-2.57 1.969,-2.57 2.22,-2.57 2.425,-2.775 U3.42@2.425,-3.238 ; U3.42@2.425,-3.322 2.425,-3.56 2.664,-3.56 2.768,-3.665 2.768,-4.068 ; U3.48@3.263,-0.4 3.263,-0.2 U3.49@3.263,0
  Top Layer w0.25: v2(-7.967,10.905) -7.919,10.953 -7.349,10.953 -7.217,11.085 -6.729,11.085 ; v1(-6.95,-0.038) -6.225,-0.038 -5.699,0.489 -4.817,0.489 -4.329,0 U3.22@-3.612,0 ; D1.2@-6.85,9.48 -6.729,9.601 -6.729,11.085 ; C11.2@-2.525,4.95 -2.508,4.933 -1.989,4.933 -1.386,4.33 -1.369,4.33 -1.2,4.161 -1.2,3.662 U3.10@-1.175,3.637 ; C19.2@1.345,8.117 1.345,8.899 1.198,9.045 1.069,9.045 0.305,9.809 0.305,10.403 0.347,10.445 0.347,10.939 ; U3.43@3.263,-2.4 4.024,-2.4 4.186,-2.239 3.947,-2 U3.44@3.263,-2 ; 3.263,-0.2 4.25,-0.2 4.4,-0.05 4.875,-0.05 5,0.075 C10.2@5,0.1 ; U4.8@10.07,10.065 9.87,10.065 9.005,10.93 1.705,10.93 1.4,10.625 1.35,10.625 1.036,10.939 0.347,10.939 ; -6.729,11.085 0.201,11.085 0.347,10.939
  Top Layer w0.3: v1(-2.155,-0.567) -2.193,-0.529 -2.193,-0.387 -2.255,-0.325 -2.255,-0.319 -2.33,-0.244 -2.33,1.193 -2.33,1.605 -2.33,2.045 -1.942,2.432 -1.279,2.432 -0.891,2.82 ; U3.10@-1.175,3.637 -1.155,3.617 -1.155,3.084 -0.891,2.82 ; C19.2@1.392,8.131 1.405,8.117 4.273,8.117 4.45,7.941 4.45,5.839 3.914,5.303 3.846,5.303 C12.2@3.222,4.679 ; 1.625,2.821 0.367,2.821 0.367,2.82 -0.891,2.82 ; 1.875,2.571 2.224,2.92 2.241,2.92 2.405,3.084 2.405,3.617 U3.1@2.425,3.637 2.912,3.637 3.088,3.813 3.088,4.403 3.205,4.519 C12.2@3.205,4.661
  Top Layer w0.4: J1.1@-10.145,-10.075 -11.939,-8.281 ; v1(-10,-3.9) -10,-5.235 -10.687,-5.921 -11.538,-5.921 -12.205,-6.589 -12.205,-7.512 -11.958,-7.759 -11.92,-7.797 -11.92,-8.262 -11.939,-8.281 ; v1(2.81,-10.585) 1.44,-10.585 0.755,-11.27 -11.149,-11.27 -11.939,-10.48 -11.939,-8.281 ; v1(4.565,-10.585) 4.592,-10.585 4.62,-10.557 5.163,-10.557 5.213,-10.507 5.213,-9.586 5.591,-9.208 U1.5@5.741,-9.208
  Top Layer w0.45: 1.625,2.821 1.875,2.571 2.125,2.321 v1(2.125,1)
  Top Layer w0.5: D9.1@-10.35,-0.75 -10.3,-0.8 v1(-9.9,-0.8) ; v1(4,-5.3) 4,-5.066 2.805,-3.871 4,-2.676 4.186,-2.491 ; 4.086,-2.662 4.086,-2.761 4.342,-3.018 4.442,-3.018 C7.2@4.564,-3.139 ; 4.186,-2.441 4.186,-2.239 v1(4.406,-2.018) ; C10.2@5,0.075 v1(5.37,-0.295)
  Bottom Layer w0.25: -8.714,11.405 -8.527,11.405 -8.027,10.905 v2(-7.967,10.905)
  Bottom Layer w0.3: v1(-10,-3.9) -10.416,-3.484 -10.416,-1.694 -10.399,-1.677 -10.399,-1.299 v1(-9.9,-0.8)
  Bottom Layer w0.4: 3.066,-7.914 2.546,-8.434 2.546,-10.078 2.791,-10.323 2.791,-10.566 v1(2.81,-10.585) v1(4.565,-10.585)
  Bottom Layer w0.5: v1(-9.9,-0.8) -9.86,-0.76 -9.426,-0.76 -9.266,-0.6 -7.512,-0.6 v1(-6.95,-0.038) -6.421,-0.567 v1(-2.155,-0.567) ; v1(2.125,1) 3.69,-0.565 ; 3.122,-7.97 3.637,-7.97 4.189,-7.418 4.222,-7.418 4.591,-7.049 4.591,-7.016 4.754,-6.852 4.754,-5.73 4.325,-5.3 v1(4,-5.3) ; 3.725,-0.6 4.497,-0.6 4.497,-1.928 v1(4.406,-2.018) ; 4.547,-0.6 5.065,-0.6 v1(5.37,-0.295)
B\O\O\T\: Q1.1 R8.2 | length 3.9
  Top Layer w0.13: Q1.1@-8.45,-3.453 -8.45,-3.253 -8.195,-2.998 -8.195,-2.973 -8.081,-2.858 -6.434,-2.858 -5.432,-3.86 R8.2@-5.359,-3.86
CC1: J3.A5 R15.1 | length 2
  Top Layer w0.13: R15.1@9.525,-1.696 9.625,-1.596 9.922,-1.596 10.267,-1.25 J3.A5@11.3,-1.25
CC2: J3.B5 R14.1 | length 4.7
  Top Layer w0.13: R14.1@6.842,2.349 6.867,2.349 7.446,1.77 10.234,1.77 10.242,1.762 11.287,1.762 J3.B5@11.3,1.75